# KiCad board raw.kicad_pcb (continued)
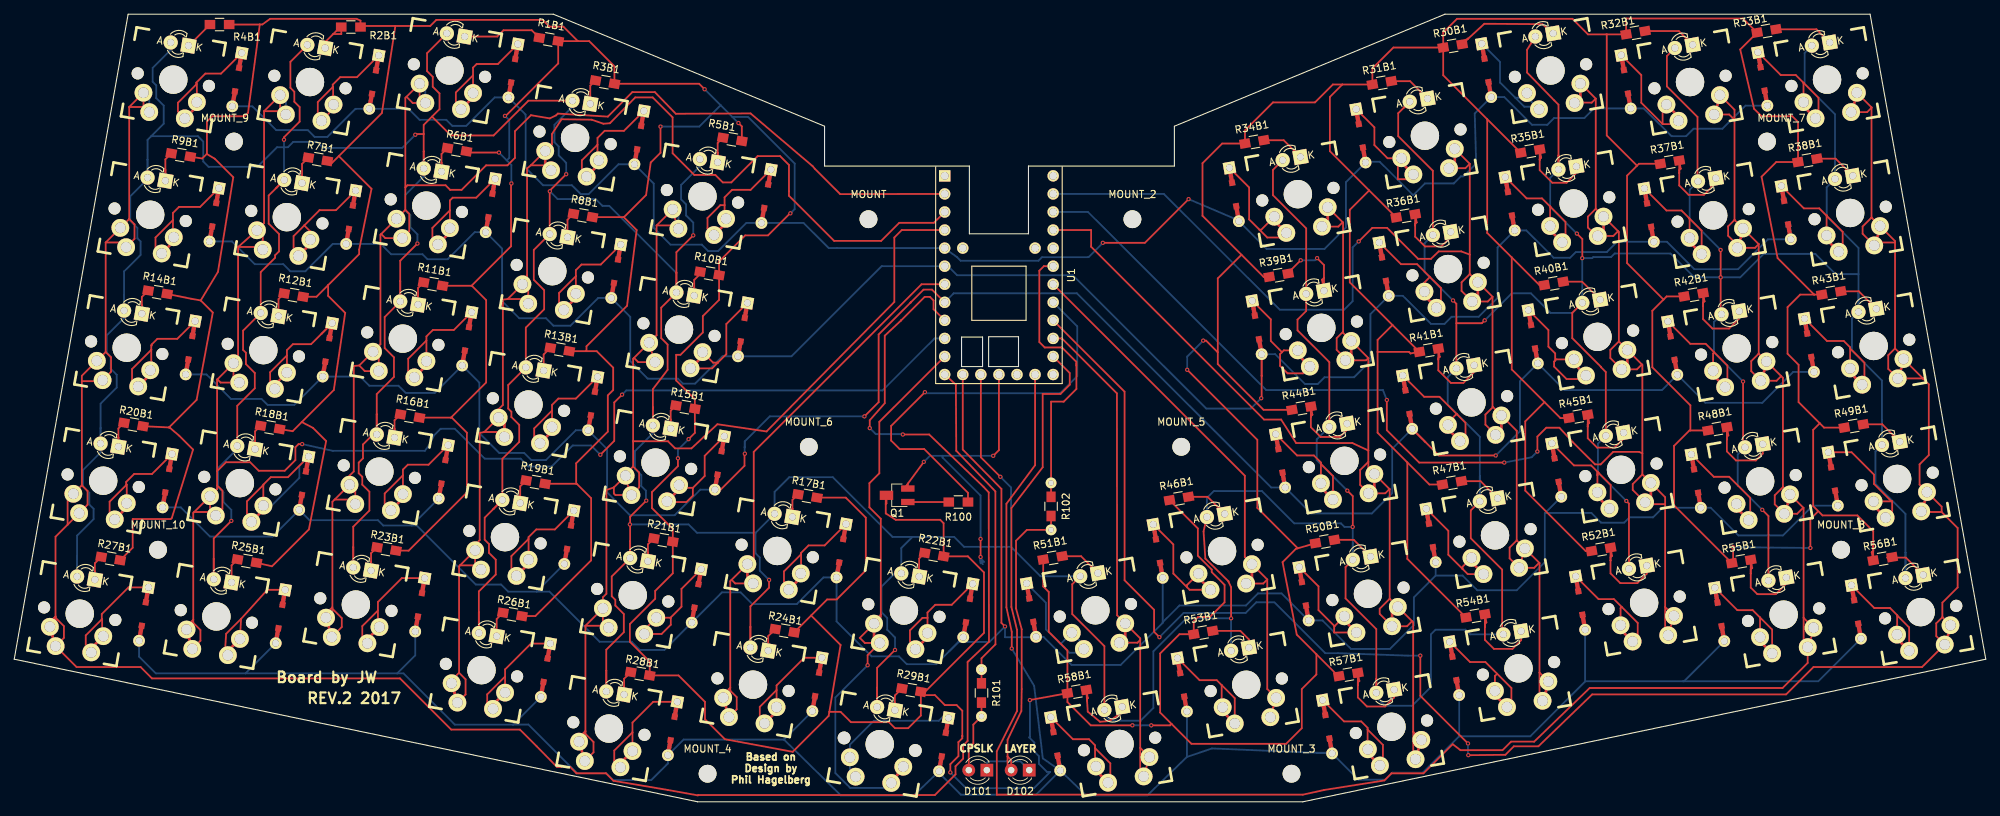
[diagram p0: board, top side]
## Routing (per net, layer and track width the routed paths; a pad name or vN(x,y) marks a point on that pad's centre or on a via; arc(x,y) is an arc through that point) (continued)
Net-(R1B1-Pad2): length 11.3
  Top w0.254: SW_1.K 67.86,107.61 68.75,108.5 72.71,108.5 R1B1.2
Net-(R2B1-Pad2): length 6.6
  Top w0.254: 43.68,106.41 SW_2.K ; 43.68,106.41 43.68,105.99 ; 43.68,106.41 43.68,106.83 44.82,107.97 ; 44.82,107.97 45.95,107.97 45.95,107.97 R2B1.2 ; 44.82,107.97 45.95,109.1
Net-(R3B1-Pad2): length 4.1
  Top w0.254: SW_3.K 80.93,98.14 80.93,100.7 81.3,101.07 ; 81.3,101.07 R3B1.2 81.3,101.07
Net-(R4B1-Pad2): length 4.2
  Top w0.254: R4B1.2 24.53,106.33 24.48,106.33 ; 24.48,106.33 SW_4.K 24.48,106.33
Net-(R5B1-Pad2): length 5.6
  Top w0.254: 99.2,93.02 R5B1.2 99.2,93.02 ; 99.2,93.02 98.83,92.65 98.83,91.29 ; 98.83,91.29 98.83,91.29 SW_5.K ; 98.83,91.29 98.83,89.93
Net-(R6B1-Pad2): length 5.5
  Top w0.254: 60.45,91.52 60.03,91.1 60.03,89.85 ; 60.45,91.52 R6B1.2 60.45,91.52 ; 60.03,88.61 60.03,89.85 ; 60.03,89.85 60.03,89.85 SW_6.K
Net-(R7B1-Pad2): length 4.6
  Top w0.254: 40.88,90.14 40.43,89.7 40.43,86.99 SW_7.K ; 40.88,90.14 41.32,90.58 ; 40.88,90.14 R7B1.2
Net-(R8B1-Pad2): length 4.2
  Top w0.254: SW_8.K 77.73,79.39 77.73,81.85 78.15,82.27 ; 78.15,82.27 R8B1.2 78.15,82.27
Net-(R9B1-Pad2): length 6.3
  Top w0.254: 21.23,87.33 21.23,88.84 ; 21.23,88.84 21.23,88.84 SW_9.K ; 21.23,88.84 21.23,90.35 21.65,90.77 ; 21.65,90.77 R9B1.2 21.65,90.77
Net-(R10B1-Pad2): length 5
  Top w0.254: 95.53,72.28 95.53,72.28 SW_10.K ; 95.53,72.28 95.53,73.38 96.37,74.22 96.37,74.38 ; 95.53,72.28 95.53,71.18 ; 96.37,74.38 96.37,74.38 R10B1.2 ; 96.37,74.38 96.37,74.53
Net-(R11B1-Pad2): length 5.2
  Top w0.254: SW_11.K 56.73,71.08 56.73,71.08 ; 56.73,71.08 56.73,72.25 57.13,72.64 ; 56.73,71.08 56.73,69.91 ; 57.13,72.64 R11B1.2 ; 57.13,72.64 57.52,73.03
Net-(R12B1-Pad2): length 4.1
  Top w0.254: 37.53,71.09 R12B1.2 ; 37.53,71.09 37.92,71.48 ; 37.53,71.09 37.13,70.7 37.13,68.29 SW_12.K
Net-(R13B1-Pad2): length 4.2
  Top w0.254: 74.85,63.37 R13B1.2 ; 74.85,63.37 75.32,63.83 ; 74.85,63.37 74.38,62.9 SW_13.K
Net-(R14B1-Pad2): length 5.4
  Top w0.254: 18.38,71.44 17.93,71 17.93,69.81 ; 18.38,71.44 R14B1.2 ; 18.38,71.44 18.82,71.88 ; 17.93,69.81 17.93,69.81 SW_14.K ; 17.93,69.81 17.93,68.63
Net-(R15B1-Pad2): length 5.3
  Top w0.254: 92.23,52.48 92.23,53.74 ; 92.23,53.74 92.23,53.74 SW_15.K ; 92.23,53.74 92.23,55 92.6,55.37 ; 92.6,55.37 R15B1.2 92.6,55.37
Net-(R16B1-Pad2): length 5.4
  Top w0.254: 53.85,54.07 53.43,53.65 53.43,52.43 ; 53.85,54.07 R16B1.2 53.85,54.07 ; 53.43,51.21 53.43,52.43 ; 53.43,52.43 53.43,52.43 SW_16.K
Net-(R17B1-Pad2): length 5.3
  Top w0.254: 109.73,42.84 R17B1.2 ; 109.73,42.84 109.33,42.45 109.33,41.25 ; 109.73,42.84 110.12,43.23 ; 109.33,41.25 109.33,41.25 SW_17.K ; 109.33,41.25 109.33,40.05
Net-(R18B1-Pad2): length 4.2
  Top w0.254: 34.23,52.49 34.62,52.88 ; 34.23,52.49 R18B1.2 ; 34.23,52.49 33.83,52.1 33.83,49.59 SW_18.K
Net-(R19B1-Pad2): length 4.1
  Top w0.254: 71.5,44.77 71.92,45.18 ; 71.5,44.77 71.08,44.35 SW_19.K ; 71.5,44.77 R19B1.2
Net-(R20B1-Pad2): length 5.5
  Top w0.254: 15.03,52.89 R20B1.2 ; 15.03,52.89 14.63,52.5 14.63,51.21 ; 15.03,52.89 15.42,53.28 ; SW_20.K 14.63,51.21 14.63,51.21 ; 14.63,51.21 14.63,49.93
Net-(R21B1-Pad2): length 5.3
  Top w0.254: 89.45,36.62 R21B1.2 89.45,36.62 ; 89.45,36.62 89.03,36.2 89.03,35.01 ; 89.03,33.83 89.03,35.01 ; 89.03,35.01 89.03,35.01 SW_21.K
Net-(R22B1-Pad2): length 5.5
  Top w0.254: 127.53,34.59 127.92,34.98 ; 127.53,34.59 127.13,34.2 127.13,32.94 ; 127.53,34.59 R22B1.2 ; 127.13,32.94 127.13,32.94 SW_22.K ; 127.13,32.94 127.13,31.68
Net-(R23B1-Pad2): length 5.4
  Top w0.254: 50.13,33.73 50.13,33.73 SW_23.K ; 50.13,33.73 50.13,34.95 50.55,35.37 ; 50.13,33.73 50.13,32.51 ; 50.55,35.37 R23B1.2 50.55,35.37
Net-(R24B1-Pad2): length 5.2
  Top w0.254: SW_24.K 105.93,22.27 105.93,22.27 ; 106.43,23.79 106.92,24.28 ; 106.43,23.79 105.93,23.3 105.93,22.27 ; 106.43,23.79 R24B1.2 ; 105.93,21.25 105.93,22.27
Net-(R25B1-Pad2): length 4.2
  Top w0.254: SW_25.K 30.53,30.84 30.53,33.25 30.95,33.67 ; 30.95,33.67 R25B1.2 30.95,33.67
Net-(R26B1-Pad2): length 4.3
  Top w0.254: 68.23,26.14 R26B1.2 68.23,26.14 ; 68.23,26.14 67.78,25.7 SW_26.K
Net-(R27B1-Pad2): length 5.4
  Top w0.254: 11.33,32.39 11.33,33.55 11.78,33.99 ; 11.33,32.39 11.33,32.39 SW_27.K ; 11.33,32.39 11.33,31.23 ; 11.78,33.99 12.22,34.43 ; 11.78,33.99 R27B1.2
Net-(R28B1-Pad2): length 5.3
  Top w0.254: SW_28.K 85.68,16.19 85.68,16.19 ; 85.68,16.19 85.68,15.08 ; 85.68,16.19 85.68,17.3 86.15,17.77 ; 86.15,17.77 R28B1.2 ; 86.15,17.77 86.62,18.23
Net-(R29B1-Pad2): length 4.5
  Top w0.254: 123.73,12.88 123.73,13.91 ; 123.73,13.91 123.73,14.95 R29B1.2 124.72,15.93 ; 123.73,13.91 123.73,13.91 SW_29.K
Net-(R30B1-Pad2): length 15.6
  Top w0.254: 204.28,107.32 206.55,109.4 214.7,109.35 SW_30.K 216.22,108.05 ; 204.28,107.32 204.21,107.32 R30B1.2 204.28,107.32
Net-(R31B1-Pad2): length 6.1
  Top w0.254: 193.48,101.33 R31B1.2 196.12,101.33 198.57,98.89 SW_31.K
Net-(R32B1-Pad2): length 7.5
  Top w0.254: SW_32.K 233.87,108.38 R32B1.2
Net-(R33B1-Pad2): length 8.3
  Top w0.254: R33B1.2 253.21,108.63 SW_33.K 255.07,106.77
Net-(R34B1-Pad2): length 6.1
  Top w0.254: SW_34.K 178.35,93.03 R34B1.2 175.58,93.03
Net-(R35B1-Pad2): length 12.3
  Top w0.254: 219.47,88.89 219.47,88.89 SW_35.K ; 219.47,88.89 219.47,88.42 218.1,87.05 216.1,87.05 214.33,88.82 214.33,90.28 ; 219.47,88.89 219.47,89.35 ; 214.33,90.28 214.33,90.38 214.53,90.58 R35B1.2 214.33,90.28
Net-(R36B1-Pad2): length 12
  Top w0.254: 201.82,79.78 SW_36.K 201.82,79.78 ; 201.82,79.78 201.82,79.42 200.5,78.1 198.2,78.1 196.83,79.47 196.83,81.05 ; 196.83,81.05 R36B1.2 197.03,81.48 196.83,81.28 196.83,81.05
Net-(R37B1-Pad2): length 12.8
  Top w0.254: 233.93,88.43 233.93,88.83 234.13,89.03 R37B1.2 233.93,88.43 ; 233.93,88.43 233.93,86.67 235.25,85.35 237.4,85.35 239.07,87.02 239.07,87.35 ; 239.07,87.35 239.07,87.35 SW_37.K ; 239.07,87.35 239.07,87.69
Net-(R38B1-Pad2): length 6
  Top w0.254: 253.28,90.43 R38B1.2 255.91,90.43 SW_38.K
Net-(R39B1-Pad2): length 12
  Top w0.254: 184.02,73.67 183.75,73.41 183.75,73.41 SW_39.K 184.02,73.67 ; 184.02,73.67 184.02,75.48 v1(183.05,76.45) ; v1(180.75,76.15) 178.98,74.38 178.98,74.33 ; 178.98,74.33 178.98,74.33 R39B1.2 ; 178.98,74.33 178.98,74.28
  Bottom w0.254: v1(183.05,76.45) 182.75,76.15 v1(180.75,76.15)
Net-(R40B1-Pad2): length 6.2
  Top w0.254: R40B1.2 220.29,73.13 SW_40.K
Net-(R41B1-Pad2): length 12.5
  Top w0.254: 200.08,62.2 200.08,62.2 200.08,62.38 200.28,62.58 R41B1.2 ; 200.08,62.2 200.08,60.67 201.85,58.9 203.6,58.9 205.12,60.42 205.12,60.9 ; 200.08,62.2 200.08,63.73 ; 205.12,60.9 SW_41.K 205.12,60.9
Net-(R42B1-Pad2): length 13.3
  Top w0.254: 242.37,68.99 242.37,68.48 ; 242.37,68.48 242.37,68.48 SW_42.K ; 242.37,68.48 242.37,67.97 240.95,66.55 238.6,66.55 237.28,67.87 237.28,69.7 ; 237.28,69.7 237.28,69.7 237.28,70.18 237.48,70.38 R42B1.2 ; 237.28,69.7 237.28,71.53
Net-(R43B1-Pad2): length 6
  Top w0.254: SW_43.K 259.16,71.78 R43B1.2
Net-(R44B1-Pad2): length 11.8
  Top w0.254: 182.18,54.13 182.18,55.58 ; 182.18,54.13 182.18,54.13 182.18,54.23 182.38,54.43 R44B1.2 ; 182.18,54.13 182.18,52.67 183.55,51.3 186.25,51.3 187.27,52.32 187.27,52.74 ; SW_44.K 187.27,52.74 187.27,52.74 ; 187.27,52.74 187.27,53.17
Net-(R45B1-Pad2): length 12.4
  Top w0.254: 221.08,52.78 221.08,54.43 ; 221.08,52.78 221.08,51.12 222.4,49.8 224.85,49.8 226.12,51.07 226.12,51.49 ; 221.08,52.78 221.08,52.78 221.08,53.08 221.28,53.28 R45B1.2 ; 226.12,51.49 SW_45.K 226.12,51.49
Net-(R46B1-Pad2): length 6.1
  Top w0.254: SW_46.K 170.07,40.48 167.66,42.88 R46B1.2 164.98,42.88
Net-(R47B1-Pad2): length 6.1
  Top w0.254: SW_47.K 206.02,45.08 R47B1.2
Net-(R48B1-Pad2): length 13.2
  Top w0.254: SW_48.K 245.67,49.63 245.67,49.63 ; 240.63,50.98 240.63,49.27 241.9,48 244.7,48 245.67,48.97 245.67,49.63 ; 240.63,50.98 240.63,51.33 240.83,51.53 R48B1.2 240.63,50.98 ; 245.67,49.63 245.67,50.29
Net-(R49B1-Pad2): length 6.2
  Top w0.254: 259.78,53.08 R49B1.2 262.46,53.08 SW_49.K
Net-(R50B1-Pad2): length 6.7
  Top w0.254: 190.57,33.82 190.57,34.47 SW_50.K 188.2,36.83 R50B1.2 185.48,36.83
Net-(R51B1-Pad2): length 6.1
  Top w0.254: R51B1.2 149.89,34.53 152.27,32.15 SW_51.K
  Bottom w0.254: 152.15,32.15 SW_51.K 152.27,32.15
Net-(R52B1-Pad2): length 13.4
  Top w0.254: 229.37,32.64 229.37,32.64 SW_52.K ; 229.37,32.64 229.37,33.2 ; 229.37,32.64 229.37,32.07 228.05,30.75 225.65,30.75 224.28,32.12 224.28,33.93 ; 224.28,33.93 224.28,33.93 224.28,34.38 224.48,34.58 R52B1.2 ; 224.28,33.93 224.28,35.73
Net-(R53B1-Pad2): length 6.7
  Top w0.254: 168.38,24.03 R53B1.2 172.27,24.03 173.47,22.83 173.47,21.68 SW_53.K
Net-(R54B1-Pad2): length 13.5
  Top w0.254: 211.72,23.35 211.72,22.72 210.5,21.5 207.9,21.5 206.63,22.77 206.63,24.58 ; 211.72,23.35 SW_54.K 211.72,23.35 ; 206.63,24.58 206.63,25.03 206.83,25.23 R54B1.2 206.63,24.58
Net-(R55B1-Pad2): length 13.2
  Top w0.254: 243.98,32.1 243.98,34.03 ; 243.98,32.1 243.98,32.1 243.98,32.68 244.18,32.88 R55B1.2 ; 243.98,32.1 243.98,30.12 244.9,29.2 247.5,29.2 248.97,30.67 248.97,31.1 ; 248.97,31.1 248.97,31.1 SW_55.K ; 248.97,31.1 248.97,31.54
Net-(R56B1-Pad2): length 6.2
  Top w0.254: SW_56.K 268.22,31.89 265.78,34.33 263.85,34.33 ; 263.85,34.33 R56B1.2 ; 263.85,34.33 263.13,34.33
Net-(R57B1-Pad2): length 13.1
  Top w0.254: 188.78,16.4 188.78,18.13 ; 188.78,16.4 188.78,14.67 190.05,13.4 192.6,13.4 193.87,14.67 193.87,15.22 ; 188.78,16.4 188.78,16.4 188.78,16.78 188.98,16.98 R57B1.2 ; SW_57.K 193.87,15.22 193.87,15.22 ; 193.87,15.22 193.87,15.77
Net-(R58B1-Pad2): length 11.6
  Top w0.254: 155.67,12.96 155.67,12.57 153.85,11.35 152.55,11.25 150.83,12.67 150.73,14.2 ; 155.67,12.96 155.67,12.96 SW_58.K ; 155.67,12.96 155.67,13.35 ; 150.73,14.2 150.73,14.48 150.83,14.58 R58B1.2 150.73,14.2
Net-(R100-Pad1): length 58.3
  Top w0.254: 145.97,70.08 U1.22 ; v1(127.95,57.6) 123.2,52.85 123.2,50.8 124.4,49.6 127.85,49.6 134,43.45 R100.1
  Bottom w0.254: U1.22 149.35,66.86 149.35,59.85 146.95,57.45 128.1,57.45 v1(127.95,57.6)
Net-(R101-Pad1): length 47.2
  Top w0.254: R101.1 R101.1 135.9,20.18 137.86,22.14 137.85,43.65 132.35,49.36 132.3,58.66 U1.12
Net-(R102-Pad1): length 40.7
  Top w0.254: 149.23,61.35 149.23,58.05 147.45,56.27 145.68,56.27 R102.1 ; 149.23,61.35 149.23,61.6 ; 149.23,61.35 149.23,61.6 ; R102.1 145.42,45.09 ; R102.1 R102.1 ; 145.97,75.28 U1.24 144.66,75.32 144.03,74.68 144.03,64.65 144.79,63.89 147.2,63.89 149.23,61.86 149.23,61.6
Net-(SW_1-PadA): length 1366.4
  Top w0.254: 28.03,34.16 28.03,34.16 SW_25.A ; 28.03,34.16 28.03,31.29 ; 28.03,34.16 28.03,37.03 v1(30.5,39.5) ; 202.62,61.9 SW_41.A 202.62,61.9 ; 202.62,61.9 202.62,67.3 ; SW_55.A 246.47,32.13 246.47,32.13 ; v1(106.05,31.2) 106.05,30.1 103.43,27.48 103.43,24.59 ; v1(187.3,43.75) 188.07,42.98 188.07,38.67 v1(188.05,38.65) ; 149.21,31.15 149.77,31.71 ; 149.21,31.15 148.65,30.59 148.65,26.4 153.17,21.88 153.17,13.89 ; 149.21,31.15 SW_51.A ; 50.93,54.49 50.93,57.33 53.35,59.75 53.35,62.5 52.05,63.8 52.05,68.17 54.23,70.35 54.23,73.22 ; 50.93,54.49 50.93,54.49 SW_16.A ; 50.93,54.49 50.93,51.65 50.4,51.65 49,50.25 49,48.3 48.4,47.7 48.4,46.2 48.9,45.7 48.9,44.6 49.9,43.6 49.9,40.95 47.63,38.68 47.63,35.82 ; 58.7,96.35 61.35,93.7 67.35,93.7 72.24,98.59 78.43,98.59 SW_3.A ; 58.7,96.35 57.53,95.18 57.53,93.9 ; 58.7,96.35 59.75,97.4 59.75,99.6 58.8,100.55 58.8,101.95 58,102.75 58,105.27 SW_1.A ; 34.63,68.74 34.63,74.48 36.65,76.5 36.65,76.85 37.2,77.4 37.2,79.85 35.75,81.3 35.75,85.25 36.84,86.34 ; 34.63,68.74 SW_12.A ; 34.63,68.74 32.15,66.25 32.15,63.55 32.55,63.15 32.55,61.55 33.8,60.3 33.8,58.15 31.33,55.68 31.33,50.04 SW_18.A ; v1(37.9,93.1) 37.9,93.37 37.93,93.4 37.93,93.48 40.1,95.65 40.1,97.7 39.35,98.45 39.35,99.85 38.8,100.4 38.8,104.05 41.18,106.44 ; 184.77,52.73 184.77,53.72 ; 184.77,53.72 184.77,61.83 180.3,66.3 180.3,67.8 181.52,69.02 181.52,71.21 ; 184.77,53.72 184.77,53.72 SW_44.A ; 47.63,35.82 47.63,35.82 SW_23.A ; 47.63,35.82 47.63,32.95 ; SW_19.A 68.58,48.23 70.95,50.6 70.95,53 69.85,54.1 69.85,54.85 69.4,55.3 69.4,58.6 71.88,61.09 ; SW_19.A 67.34,41.19 67.34,41.19 ; SW_19.A 67.34,41.19 ; 213.13,106.68 212.55,105.74 212.55,102.55 216.38,98.62 216.97,98.03 216.97,90.89 ; 213.13,106.68 213.72,107.26 SW_30.A 213.13,106.68 ; 226.87,33.81 226.87,33.81 SW_52.A ; 226.87,33.81 226.87,32.76 ; 226.87,33.81 226.87,41.93 v1(226.5,42.3) ; SW_13.A 71.88,61.09 ; SW_13.A 71.88,66.68 74.45,69.25 74.45,71.95 73,73.4 73,77.6 75.23,79.84 ; SW_13.A 71.88,61.09 ; v1(202.15,70.5) 202.62,70.03 202.62,67.3 ; SW_7.A 36.84,86.34 36.84,86.34 ; 191.37,15.33 191.37,17.27 ; 191.37,17.27 191.37,24.28 187.05,28.6 187.05,33.01 188.07,34.03 ; 191.37,17.27 191.37,17.27 SW_57.A ; v1(88.8,42.35) 86.53,40.08 86.53,39 ; 232.76,105.44 232.2,104.88 232.2,100.6 236.5,96.3 236.5,87.31 SW_37.A ; 232.76,105.44 232.76,105.44 SW_32.A ; 232.76,105.44 233.32,105.99 ; 89.73,55.47 89.73,55.47 SW_15.A ; 89.73,55.47 89.73,58.03 91.8,60.75 91.8,64.3 90.9,65.2 90.9,69.49 93.03,71.62 93.03,74.45 ; 89.73,55.47 89.73,52.92 ; 57.53,91.48 57.53,91.48 SW_6.A ; 57.53,91.48 57.53,89.05 ; 57.53,91.48 57.53,93.9 ; SW_42.A 239.87,68.54 239.75,68.66 v1(239.75,73.75) v1(239.75,77.6) ; SW_10.A 93.03,74.45 93.03,74.45 ; 75.23,85.87 75.23,79.84 ; 75.23,85.87 75.23,85.93 ; 75.23,85.87 75.23,85.93 ; 75.23,85.87 v1(75.25,85.85) ; 75.23,79.84 SW_8.A ; 153.17,13.89 153.17,12.91 ; 153.17,13.89 153.17,13.89 SW_58.A ; 103.43,24.59 103.43,21.69 ; 103.43,24.59 103.43,24.59 SW_24.A ; v1(86.5,39) 86.53,39 ; 86.53,39 86.53,36.63 ; 188.07,34.03 SW_50.A ; 188.07,34.03 188.07,33.52 ; 188.07,34.03 187.73,34.03 ; 75.23,85.93 v1(77.55,88.25) ; 36.84,86.34 37.93,87.44 ; 195.26,97.64 196.07,98.44 ; 195.26,97.64 194.45,96.83 194.45,93.6 199.32,88.73 199.32,80.73 ; 195.26,97.64 195.26,97.64 SW_31.A ; 93.03,74.45 93.03,77.28 v1(95.4,79.65) ; 83.18,18.45 SW_28.A 83.18,18.45 ; 83.18,18.45 83.18,21.38 85.65,23.85 85.65,26.4 84.45,27.6 84.45,28.4 83.95,28.9 83.95,31.69 86.53,34.27 86.53,36.63 ; 65.28,26.66 SW_26.A 65.28,26.66 ; 65.28,26.66 65.28,29.58 67.65,31.95 67.65,34.05 66.7,35 66.7,36.25 66.1,36.85 66.1,39.95 67.34,41.19 ; 181.52,71.21 181.52,71.21 SW_39.A ; 181.52,71.21 181.52,80.63 176.85,85.3 176.85,88.86 178.12,90.13 ; SW_21.A 86.53,36.63 86.53,36.63 ; 223.62,52.51 223.62,60.43 222.95,61.1 222.95,61.15 218.9,65.2 218.9,68.74 SW_40.A ; 223.62,52.51 SW_45.A 223.62,52.51 ; 57.53,93.9 56.45,93.9 v1(56.35,93.8) ; v1(245.6,41.05) 246.47,40.18 246.47,32.13 ; 178.12,90.13 SW_34.A 178.12,90.13 ; SW_35.A 216.97,90.89 216.97,90.89 ; SW_48.A 242.9,50.11 v1(242.9,59.1) ; 216.97,90.89 216.97,88.91 ; v1(138.55,45.7) 135.81,48.44 U1.14 ; 199.32,80.73 SW_36.A ; 199.32,80.73 199.32,79.69 ; 121.23,16.06 121.23,13.32 ; 121.23,16.06 121.23,18.83 v1(123.75,21.35) ; 121.23,16.06 121.23,16.06 SW_29.A ; 41.18,106.44 SW_2.A 41.18,106.44 ; 202.62,67.3 206.2,67.3 v1(206.6,67.7) ; 205.28,41.61 SW_47.A 205.28,41.61 ; 205.28,41.61 204.65,40.98 204.65,37.05 209.05,32.65 209.05,23.71 SW_54.A ; 246.47,32.13 246.47,31.09 ; 54.23,73.22 54.23,73.22 SW_11.A ; 54.23,73.22 54.23,76.08 v1(56.65,78.5) ; v1(220.3,76.45) 220.32,76.45 220.32,79.13 v1(219.55,79.9) ; v1(170.97,25.8) 170.97,30.18 170.6,30.95 170.6,31 167.35,34.2 167.1,38.02 167.57,40.04 SW_46.A
  Bottom w0.254: SW_17.A 106.83,40.49 ; 106.83,40.49 106.83,40.49 104.17,37.83 ; 106.83,40.49 106.83,43.58 108.9,45.65 115,45.65 123.4,37.25 126.2,37.25 ; 93.03,72.99 93.03,72.99 SW_10.A ; 93.03,72.99 93.03,71.62 ; 93.03,72.99 93.03,74.37 83.6,83.8 82.65,83.8 81.7,84.75 76.35,84.75 v1(75.25,85.85) ; 37.93,87.16 37.93,87.16 SW_7.A ; 37.93,87.16 37.93,86.88 ; 37.93,87.16 37.93,87.44 37.9,87.47 37.9,92.05 ; 126.2,37.25 124.63,35.68 124.63,32.12 ; 126.2,37.25 132.05,37.25 133.45,35.85 140.05,35.85 ; 259.12,74.2 259.12,77.88 254.65,82.35 254.65,86.41 SW_38.A ; 259.12,74.2 259.12,71.54 ; 259.12,74.2 255.9,74.2 253.05,77.05 245.8,77.05 242.5,73.75 v1(239.75,73.75) 236.05,73.75 232.7,77.1 224.85,77.1 224.35,76.6 221.85,76.6 221.7,76.45 v1(220.3,76.45) 220.3,70.18 220.31,70.17 ; 8.83,34.55 8.83,37.43 11.15,39.75 11.15,41.2 10.55,41.8 10.55,43.45 9.65,44.35 9.65,46.65 12.13,49.13 12.13,52.56 ; 8.83,34.55 8.83,34.55 SW_27.A ; 8.83,34.55 8.83,31.67 ; SW_46.A 167.57,41.38 167.57,41.38 ; 167.57,41.38 167.57,42.72 168.55,43.7 175.3,43.7 179.85,39.15 186.4,39.15 186.9,38.65 v1(188.05,38.65) 188.07,38.63 188.07,36.33 ; 167.57,41.38 167.57,40.04 ; 262.42,53.74 SW_49.A ; 262.42,53.74 262.42,59.23 258.2,63.45 258.2,67.96 SW_43.A ; 262.42,53.74 SW_49.A ; SW_49.A 261.5,49.26 261.5,44.7 265.72,40.48 265.72,35.03 ; 57.53,88.49 57.53,87.93 54.9,85.3 54.9,83.25 55.65,82.5 55.65,80.8 56.65,79.8 v1(56.65,78.5) ; 57.53,88.49 57.53,89.05 ; 57.53,88.49 57.53,88.49 SW_6.A ; SW_44.A 183,50.96 183,48.05 v1(187.3,43.75) ; 191.37,15.03 191.37,15.03 SW_57.A ; 191.37,15.03 191.37,15.33 ; 191.37,15.03 191.37,14.73 192.6,13.5 196.4,13.5 199.05,16.15 199.05,23.55 199.7,24.2 203.9,24.2 204.56,23.54 209.22,23.54 ; v1(226.5,42.3) 222.5,46.3 222.5,50.34 SW_45.A ; 12.13,52.56 12.13,55.98 14.4,58.25 14.4,60.05 13.55,60.9 13.55,62.6 13,63.15 13,65.6 15.43,68.03 15.43,71.31 ; 12.13,52.56 12.13,52.56 SW_20.A ; 239.33,68.01 238.8,67.48 238.8,63.2 v1(242.9,59.1) ; 239.33,68.01 239.87,68.54 ; 239.33,68.01 SW_42.A ; 243.17,49.84 242.66,49.34 ; 242.66,49.34 242.66,49.34 SW_48.A ; 242.66,49.34 242.15,48.83 242.15,44.5 v1(245.6,41.05) ; 140.05,35.85 144.19,31.71 149.77,31.71 SW_51.A ; 140.05,35.85 140.05,44.2 v1(138.55,45.7) ; v1(206.6,67.7) 210.4,71.5 213.1,71.5 215.85,68.75 218.91,68.75 SW_40.A ; 31.33,49.83 31.33,49.63 28.65,46.95 28.65,44.25 29.4,43.5 29.4,42.15 30.5,41.05 v1(30.5,39.5) ; 31.33,49.83 31.33,50.04 ; 31.33,49.83 31.33,49.83 SW_18.A ; 255.82,91.17 255.82,96.68 251.55,100.95 251.55,105.31 SW_33.A ; 255.82,91.17 SW_38.A ; 255.82,91.17 SW_38.A ; 188.07,36.33 188.07,36.33 SW_50.A ; 188.07,36.33 188.07,34.03 ; 15.43,71.31 15.43,74.58 17.75,76.9 17.75,78.8 17.3,79.25 17.3,80.7 16.3,81.7 16.3,85.15 18.73,87.58 18.73,90.33 ; 15.43,71.31 15.43,71.31 SW_14.A ; 259.12,71.54 SW_43.A ; 259.12,71.54 SW_43.A ; v1(86.5,39) 94.75,39 95.92,37.83 104.17,37.83 ; 265.72,35.03 SW_56.A 265.72,35.03 ; 124.63,32.12 123.72,32.12 121.85,30.25 121.85,26.65 122.65,25.85 122.65,24.2 123.75,23.1 v1(123.75,21.35) ; 124.63,32.12 SW_22.A ; 202.62,60.94 SW_41.A 202.62,60.94 ; 202.62,60.94 201.4,59.73 201.4,55.85 205.92,51.33 205.92,45.81 ; v1(219.55,79.9) 215.8,83.65 215.8,87.74 SW_35.A ; 19.25,93.6 18.73,93.08 18.73,90.33 ; 19.25,93.6 25.79,93.6 26.55,92.84 26.55,90.05 27.31,89.29 34.17,89.29 36.93,92.05 37.9,92.05 ; 19.25,93.6 21,95.35 21,97.9 19.95,98.95 19.95,100.75 19.45,101.25 19.45,103.2 21.98,105.73 21.98,106.77 SW_4.A ; 205.92,45.81 SW_47.A 205.92,45.81 ; 78.43,98.59 78.43,98.16 ; 78.43,98.16 78.43,98.16 SW_3.A ; 78.43,98.16 78.43,97.73 75.9,95.2 75.9,92.75 76.5,92.15 76.5,90.9 77.55,89.85 v1(77.55,88.25) ; 37.9,92.05 38.45,92.05 39.2,92.8 42.55,92.8 43.4,91.95 54.5,91.95 v1(56.35,93.8) ; 37.9,92.05 v1(37.9,93.1) ; 18.73,90.33 18.73,90.33 SW_9.A ; 199.32,79.69 199.32,79.69 ; 199.32,79.69 SW_36.A ; 199.32,79.69 198.15,78.53 198.15,74.5 v1(202.15,70.5) ; SW_5.A 96.33,90.37 96.33,89.38 93.7,86.75 93.7,84.7 94.4,84 94.4,82.45 95.4,81.45 v1(95.4,79.65) ; 209.22,23.54 SW_54.A 209.22,23.54 ; 153.17,12.57 153.17,12.23 154,11.4 158.25,11.4 160.05,13.2 160.05,21.15 164.7,25.8 v1(170.97,25.8) 170.97,21.24 SW_53.A ; 153.17,12.57 153.17,12.57 SW_58.A ; 153.17,12.57 153.17,12.91 ; SW_40.A 220.31,70.17 ; SW_40.A 220.31,70.17 ; 104.17,37.83 104.15,37.81 104.15,34.95 104.75,34.35 104.75,32.5 v1(106.05,31.2) ; v1(88.8,42.35) 88.75,42.4 88.75,43.75 88.1,44.4 88.1,45.95 87.2,46.85 87.2,49.3 89.73,51.83 89.73,52.92 SW_15.A ; v1(239.75,77.6) 235.4,81.95 235.4,86.08 236.57,87.24 SW_37.A
Net-(SW_1-PadSW1): length 212.3
  Top w0.254: SW_23.SW1 46.02,24.57 46.02,25.83 44.7,27.15 ; 45.02,42.5 SW_16.SW1 ; 45.02,42.5 44.7,42.18 44.7,27.35 ; 45.02,42.5 47.29,42.5 SW_16.SW1 47.92,43.78 SW_16.SW1 ; SW_16.SW1 47.11,45.22 ; SW_16.SW1 47.11,45.22 ; 44.13,26.21 44.45,26.53 ; 44.13,26.21 SW_23.SW1 ; 44.13,26.21 SW_23.SW1 ; 44.13,26.21 SW_23.SW1 ; 44.13,26.21 44.45,26.53 ; 44.45,26.53 44.7,26.78 44.7,27.15 ; 44.45,26.53 44.45,27.1 44.7,27.35 ; SW_11.SW1 52.05,61.4 ; SW_11.SW1 49.25,60.57 48.47,61.35 ; SW_11.SW1 51.22,62.48 SW_11.SW1 ; U1.2 116.05,85.45 112.48,89.02 112.18,89.38 103.45,96.8 92.95,96.75 90,99.8 86.85,99.8 83.4,96.35 76.38,96.77 76.12,96.52 75.25,96.1 72.6,96.55 70.35,94.3 70.35,90.55 69.3,89.5 66.3,89.5 62.85,86.05 61.25,86.05 60.6,86.7 55.25,86.7 54.95,86.4 ; 48.47,61.35 47.7,61.28 47.7,46.45 47.11,45.86 47.11,45.22 ; 48.47,61.35 SW_11.SW1 ; 54.95,86.4 54.95,83.23 ; 54.95,86.4 54.95,98.98 55.11,99.14 ; 55.11,99.14 56.96,100.99 56.96,99.08 SW_1.SW1 55.98,98.27 55.11,99.14 ; 44.7,27.35 44.7,27.15 ; 54.95,83.23 55.5,82.68 55.5,80.25 SW_6.SW1 52.13,79.27 51.56,79.84 ; 54.95,83.23 SW_6.SW1 51.56,79.84 ; 51.56,79.84 51.45,79.73 51.45,64.33 SW_11.SW1
  Top w0.381: SW_23.SW1 SW_23.SW1
  Bottom w0.254: SW_1.SW1 57.77,100.18 SW_1.SW1
Net-(SW_10-PadSW1): length 187.9
  Top w0.254: 80.25,9.95 79.36,9.06 79.36,8.76 ; 80.25,9.95 80.25,9.85 ; 80.25,9.95 80.25,24.75 ; SW_21.SW1 83.5,24.49 ; SW_21.SW1 83.25,24.75 80.25,24.75 ; SW_21.SW1 83.5,24.49 ; 83.5,24.49 82.71,25.29 82.71,27.2 ; 79.36,8.45 80.2,9.3 80.2,9.5 80.25,9.55 ; 79.36,8.45 79.36,8.76 ; 79.36,8.45 79.36,8.76 ; 80.25,9.85 79.36,8.96 79.36,8.76 ; 80.25,9.85 80.25,9.55 ; 82.71,27.98 82.71,27.98 SW_21.SW1 ; 82.71,27.98 82.71,28.76 83.2,29.25 83.2,43.85 84.24,44.19 ; 82.71,27.98 82.71,27.2 ; 84.24,44.19 85.9,45.85 SW_15.SW1 ; 84.24,44.19 84.25,44.2 84.25,43.35 84.47,43.13 86.72,43.13 ; 80.17,6.02 SW_28.SW1 80.17,5.73 81.39,6.96 81.39,8.41 80.25,9.55 ; 79.36,8.76 79.36,8.76 SW_28.SW1 ; 90.25,81.05 92.51,83.3 ; 90.25,81.05 92.85,81.05 SW_5.SW1 92.51,83 ; 90.25,81.05 90.25,65.6 SW_10.SW1 87.08,62.42 ; 85.91,45.98 85.91,46.11 86.95,47.15 ; 85.91,45.98 SW_15.SW1 ; 85.91,45.98 SW_15.SW1 ; 86.72,43.13 85.91,45.3 ; 86.72,43.13 SW_15.SW1 87.8,44.22 87.8,46.3 86.95,47.15 ; 90.02,61.83 89.2,64.44 ; 90.02,61.83 SW_10.SW1 ; 90.02,61.83 87.67,61.83 87.08,62.42 ; 87.08,62.42 86.95,62.3 86.95,50.7 ; 86.95,47.15 86.95,50.7 ; 86.95,50.7 91.85,50.7 92.85,49.7 95.15,49.7 98.8,53.09 105.7,52.08 123.65,70.28 123.65,79.35 124.7,80.4 U1.4 ; 82.71,27.2 80.25,24.75
  Top w0.381: 80.17,5.73 79.36,8.45
  Bottom w0.254: SW_5.SW1 93.32,82.5 SW_5.SW1
Net-(SW_12-PadSW1): length 244.3
  Top w0.254: SW_12.SW1 31.62,58.95 ; 31.62,58.95 30.81,59.76 SW_12.SW1 ; 31.62,58.95 29,58.95 28.54,59.41 ; 37.7,97.12 37.36,97.46 37.36,99.37 35.1,97.12 ; 37.7,97.12 SW_2.SW1 ; 37.7,97.12 35.1,97.12 ; 25.28,40.75 25.15,40.62 25.15,25.6 ; 25.28,40.75 SW_18.SW1 ; 25.28,40.75 27.82,40.75 28.32,40.25 ; SW_25.SW1 26.16,22.64 26.16,24.16 25.15,25.17 ; SW_12.SW1 31.45,62.32 31.45,78.02 ; SW_12.SW1 28.54,59.41 ; 25.15,25.17 25.15,25.6 ; 25.15,25.17 24.21,24.22 ; 31.45,78.02 34.55,78.02 34.92,77.65 ; 31.45,78.02 SW_7.SW1 ; 25.15,25.6 24.9,25.35 24.9,24.92 24.21,24.22 ; 34.92,77.65 34.92,79.56 34.11,80.37 ; 34.92,77.65 SW_7.SW1 ; 24.21,24.22 SW_25.SW1 ; SW_18.SW1 27.51,41.06 28.32,40.25 ; SW_18.SW1 28.5,43.97 28.5,44.5 ; SW_7.SW1 34.11,80.37 ; SW_7.SW1 35.1,81.37 35.1,97.12 ; SW_7.SW1 34.11,80.37 ; 28.5,46.5 29.75,47.75 33.15,47.75 34.35,46.55 38,46.55 39.5,48.05 39.5,49.85 39.95,50.3 v1(40.45,50.3) ; 28.5,46.5 28.5,59.37 28.54,59.41 ; 28.5,46.5 28.5,44.5 ; v1(85.4,57.25) 84.3,56.15 84.3,50.75 v1(82.35,48.8) ; 28.5,44.5 29.25,43.75 29.25,41.18 28.32,40.25 ; SW_18.SW1 28.32,40.25
  Top w0.381: 24.21,24.22 SW_25.SW1
  Bottom w0.254: v1(40.45,50.3) 44.75,49.35 57.7,49.35 58.3,50.17 59,51.55 59.9,52.45 61.9,52.45 66.1,48.25 71.15,48.25 72.25,47.15 75.5,47.15 78.45,50.1 81.05,50.1 v1(82.35,48.8) ; SW_2.SW1 38.17,98.56 SW_2.SW1 ; U1.10 129.31,65.16 122,57.85 86,57.85 v1(85.4,57.25)
Net-(SW_13-PadSW1): length 198.3
  Top w0.254: SW_8.SW1 71.41,73.39 72.05,74.03 ; SW_8.SW1 69.33,70.7 ; SW_8.SW1 72.22,71.96 72.22,70.05 ; 72.22,70.05 71.57,70.7 69.33,70.7 ; 72.22,70.05 SW_8.SW1 ; 72.05,73.52 72.05,74.03 ; 72.05,74.03 72.05,89.07 72.59,89.51 ; 72.59,89.51 74.71,89.51 SW_3.SW1 ; 72.59,89.51 75.55,92.47 75.55,93.9 76.9,95.98 81.13,95.91 82.77,95.35 83.69,95.42 87.25,99.05 89.7,99.05 92.5,96.25 92.5,91.2 95.55,88.15 98.5,88.15 99.55,87.1 100.75,87.1 104.45,90.8 107.6,90.8 108.85,89.55 108.85,85.85 108.85,85.22 115.2,78.87 121.8,78.87 124.34,81.41 129.2,81.41 U1.3 ; SW_26.SW1 61.46,15.72 61.86,15.31 ; 64.76,34.42 64.76,35.37 ; 64.76,34.42 64.76,33.46 64.97,33.25 ; 64.76,34.42 64.76,34.42 SW_19.SW1 ; 64.76,35.37 62.63,33.25 ; 64.76,35.37 64.76,36.16 65.4,36.8 65.4,51.87 66.03,52 ; 68.06,54.02 68.06,54.02 ; 68.06,54.02 68.87,53.21 ; 68.06,54.02 SW_13.SW1 ; 68.06,54.02 66.03,52 ; 68.06,54.02 68.06,55.21 68.65,55.8 68.65,70.62 69.33,70.7 ; 62.63,33.25 62.5,33.12 62.5,18.15 62.49,18.14 ; 62.63,33.25 64.97,33.25 ; 66.03,52 68.17,52 SW_13.SW1 69.7,52.13 ; 62.49,18.14 63.41,17.22 63.41,15.09 62.27,13.95 SW_26.SW1 ; 62.49,18.14 61.46,17.11 61.46,16.67 ; 64.97,33.25 SW_19.SW1 ; 74.61,90.57 SW_3.SW1
  Top w0.381: 61.46,16.67 62.27,13.95 ; 74.61,91.52 74.61,89.61 SW_3.SW1 ; SW_13.SW1 68.87,53.21 68.06,54.02
Net-(SW_14-PadSW1): length 347.3
  Top w0.254: 7.5,38.97 7.5,42.5 SW_20.SW1 9.5,44.5 ; 7.5,38.97 5.8,37.27 5.8,26.05 ; 7.5,38.97 8.9,40.37 ; 16.15,97.7 18.16,99.71 18.16,97.8 SW_4.SW1 18.25,97.7 16.15,97.7 ; 16.15,97.7 16.15,81.95 16.15,81.95 ; 5.8,25.88 5.8,26.05 ; 5.8,25.88 5.8,25.4 5.4,25.01 ; 5.8,25.88 5.8,26.05 ; 5.8,25.88 6.98,24.7 6.98,23.05 SW_27.SW1 8.76,18.95 17.75,18.95 19.35,17.35 54.2,17.35 61.4,10.15 71.05,10.15 73.4,7.8 76.25,4.9 78.1,4.9 79,4 83.15,4 84.2,2.95 91.83,1.66 96.05,0.9 96.1,0.95 129.35,0.95 132.25,3.85 132.25,5 133.32,6.06 133.32,7.92 133.95,8.55 133.95,19.66 134.07,19.78 136.95,22.5 136.92,43.51 136.17,44.31 128.55,51.65 v1(124.85,51.65) ; 5.8,26.05 5.55,25.8 5.55,25.15 5.4,25.01 ; U1.9 129.17,69.26 129.17,70.49 128.66,71 127.91,71 124.61,67.7 ; 9.5,44.5 10.3,43.7 10.3,41.77 8.9,40.37 ; 9.5,44.5 9.5,44.5 9.5,59.15 ; 16.15,81.95 SW_9.SW1 12.85,78.65 ; 16.15,81.95 16.9,81.2 16.9,79.17 SW_9.SW1 15.05,78.65 12.85,78.65 ; 9.5,59.15 12.28,59.15 SW_14.SW1 13.6,60.47 13.6,62.5 12.85,63.25 ; 9.5,59.15 9.5,59.9 SW_14.SW1 12.85,63.25 ; 124.61,67.7 124.6,67.69 ; 124.61,67.7 124.6,67.69 ; 5.4,25.01 SW_27.SW1 ; 5.4,25.01 SW_27.SW1 ; 5.4,25.01 SW_27.SW1 ; 12.85,78.65 12.85,63.25 ; v1(120.2,52.55) 120.2,53.65 122.31,56.05 122.31,65.54 124.6,67.69 ; 8.9,40.37 SW_20.SW1
  Top w0.381: SW_27.SW1 5.34,23.4 SW_27.SW1
  Bottom w0.254: SW_4.SW1 18.97,98.9 SW_4.SW1 ; v1(120.2,52.55) 121.05,51.7 124.8,51.7 v1(124.85,51.65)
Net-(SW_17-PadSW1): length 89.9
  Top w0.254: 100.6,15.62 100.6,16.05 ; 100.6,15.62 101.51,14.71 101.51,13 SW_24.SW1 ; 100.6,15.62 100.3,15.32 ; 100.6,16.05 100.6,31.02 100.79,31.21 ; 100.6,16.05 100.35,15.8 100.35,15.37 100.3,15.32 ; 100.3,15.32 99.95,14.98 ; 100.3,15.32 99.95,14.98 ; 99.95,14.98 SW_24.SW1 ; 99.95,14.98 SW_24.SW1 ; 99.95,14.98 SW_24.SW1 ; U1.7 127.48,72.78 103.9,49.2 103.9,34.32 SW_17.SW1 100.79,31.21 ; 100.79,31.21 101.29,30.71 SW_17.SW1
  Top w0.381: SW_24.SW1 SW_24.SW1 100.3,15.32 ; SW_17.SW1 103.01,31.52 SW_17.SW1
Net-(SW_22-PadSW1): length 91.8
  Top w0.254: 121.75,26.3 121.75,39.8 120.15,41.4 120.15,44.8 121.55,46.2 121.55,53.44 U1.11 ; 121.75,26.3 120.81,25.36 120.81,25.05 ; 121.75,26.3 121.75,26 120.81,25.05 ; 120.81,25.48 120.81,25.91 ; 120.81,25.48 120.81,25.05 ; 120.81,25.48 120.81,25.05 ; 120.81,25.48 120.81,25.48 SW_22.SW1 ; 120.81,25.48 120.81,25.91 ; 120.81,25.91 120.81,26.11 ; 120.81,25.05 118.8,23.05 119.52,22.33 121.62,22.33 ; 124.06,3.79 124.91,4.64 SW_29.SW1 ; v1(119.9,19.2) 119.9,20.62 121.62,22.33 ; 121.62,22.33 SW_22.SW1 ; 123.22,2.65 122.4,3.47
  Top w0.381: 120.81,25.05 120.81,23.14 121.62,22.33 ; 124.91,4.93 124.06,3.79 SW_29.SW1 123.22,2.65
  Bottom w0.254: 122.87,2.3 SW_29.SW1 ; 122.87,2.3 123.22,2.65 ; 122.87,2.3 122.52,1.95 117.46,1.95 115.37,4.04 115.37,14.67 v1(119.9,19.2)
Net-(SW_30-PadSW1): length 234.9
  Top w0.254: 219.23,98.32 SW_30.SW1 ; 219.23,98.32 221.63,98.32 222.2,98.88 ; 219.23,98.32 219.64,98.72 ; 231.95,27.38 231.95,23.85 SW_52.SW1 ; 231.95,27.38 231.95,41.85 ; 231.95,27.38 SW_52.SW1 SW_52.SW1 ; 222.2,98.88 220.04,101.04 ; 222.2,98.88 222.2,83.38 ; 228.75,49 228.3,49.2 224.65,49.2 222.9,47.45 222.1,47.45 218.99,50.56 217.1,52.6 215.25,52.6 214,51.35 v1(214,49.25) ; 228.75,49 228.75,61.43 228.68,61.5 ; 228.75,49 228.75,46.03 ; 228.68,61.5 228,60.82 SW_40.SW1 224.25,62.4 224.25,63.53 225.45,64.73 ; 228.68,61.5 226.64,63.54 ; SW_40.SW1 226.64,63.54 ; 226.64,63.54 225.45,64.73 ; 225.45,64.73 225.45,80.13 225.34,80.24 ; SW_52.SW1 232.38,23.42 ; 225.34,80.24 224.67,79.57 SW_35.SW1 222.28,79.57 221.1,80.75 221.1,82.28 222.2,83.38 ; 225.34,80.24 SW_35.SW1 222.2,83.38 ; 220.04,100.08 220.04,100.08 SW_30.SW1 ; 229.94,44.84 231.95,42.83 231.95,41.85 ; 229.94,44.84 228.75,46.03 ; 229.94,44.84 SW_45.SW1 ; 228.75,46.03 227.4,44.68 227.4,43.85 SW_45.SW1 229.4,41.85 231.95,41.85 ; v1(209.35,47.7) 197.4,47.7 192.85,52.25 v1(192.85,56.5)
  Top w0.381: SW_35.SW1 223.29,80.38 SW_35.SW1 ; SW_40.SW1 226.64,61.63 226.64,63.54 ; 229.94,44.84 229.94,42.93 SW_45.SW1 ; 219.23,98.32 220.04,99.13 220.04,101.04
  Bottom w0.254: v1(214,49.25) 213.2,48.45 v1(209.35,47.7) ; U1.27 150.86,82.94 175.9,57.9 192.3,57.9 v1(192.85,56.5)
Net-(SW_31-PadSW1): length 204
  Top w0.254: 204.5,76.95 204.5,89.72 ; 204.5,76.95 203.3,77.4 200.15,77.4 199.05,76.35 197.25,76.35 192.9,80.7 190.8,80.7 v1(188.9,78.8) ; 204.5,76.95 204.5,74.22 204.51,74.21 ; 204.5,89.72 203.88,89.1 SW_31.SW1 ; 204.5,89.72 202.39,91.82 ; 204.51,74.21 203.35,73.05 203.35,71.83 204.83,70.35 ; 204.51,74.21 207.7,71.02 ; SW_41.SW1 208.94,53.37 208.94,53.37 ; SW_47.SW1 210.1,34.23 210.1,35.75 211.11,36.76 ; SW_47.SW1 212.24,35.62 ; SW_47.SW1 213.55,32.9 214.26,33.61 ; 204.83,70.35 207.04,70.35 207.7,71.02 ; 204.83,70.35 SW_36.SW1 ; 214.3,18.17 214.3,33.57 214.26,33.61 ; 214.3,18.17 214.3,14.63 SW_54.SW1 ; 214.3,18.17 215.54,16.92 ; SW_41.SW1 206.7,53.03 206.7,54.45 207.76,55.51 ; 212.24,35.62 SW_47.SW1 ; 212.24,35.62 211.11,36.76 ; 212.24,35.62 214.26,33.61 ; 207.76,55.51 207.7,55.57 207.7,71.02 ; 207.76,55.51 211.1,52.17 211.1,36.77 211.11,36.76 ; SW_54.SW1 215.54,16.36 215.37,16.19 ; 214.73,14.2 SW_54.SW1 ; 214.73,14.2 214.7,14.2 ; 214.73,14.2 SW_54.SW1 ; SW_36.SW1 205.64,72.12 205.64,72.12 ; 202.39,90.87 SW_31.SW1
  Top w0.381: SW_31.SW1 202.39,89.91 202.39,91.82 ; 215.54,16.92 215.19,15.45 SW_54.SW1 ; 204.83,70.35 205.64,71.16 205.64,73.07 ; 208.94,54.32 208.94,52.41 SW_41.SW1
  Bottom w0.254: U1.28 161.52,85.48 177.8,69.2 186.85,69.2 188.05,70.4 188.05,77.95 v1(188.9,78.8)
Net-(SW_32-PadSW1): length 317.2
  Top w0.254: SW_55.SW1 251.98,20.64 251.98,20.64 ; 251.98,21.75 252.79,23.98 ; 251.98,21.75 251.41,22.32 251.41,25.85 ; 251.98,21.75 251.98,20.64 ; 245.09,63.01 245.11,63.01 SW_42.SW1 248.25,59.87 248.25,59.85 ; 245.09,63.01 244.05,61.97 244.05,60.55 245.38,59.22 SW_42.SW1 247.6,59.2 248.25,59.85 ; 245.09,63.01 245.1,63.02 245.1,78.42 ; 245.1,78.42 244.59,77.9 SW_37.SW1 242.08,78.32 240.8,79.6 240.8,80.92 241.69,81.81 ; 245.1,78.42 SW_37.SW1 241.71,81.81 241.69,81.81 ; U1.19 148.3,60.29 148.3,58.65 147,57.35 144.5,57.35 144.5,47.05 140.1,41.3 140.1,27.4 140.89,24.18 140.89,12.76 138.05,7.1 138.05,1 181.05,1 184.03,1.66 192.5,3 193.5,4 198,4 202.1,8.1 203.2,7.25 209.1,7.25 210.3,8.45 213.55,8.45 221.35,16 248.45,16 251.98,19.53 251.98,20.64 ; 251.41,25.85 251.4,25.87 251.4,41.32 251.36,41.36 ; 251.41,25.85 SW_55.SW1 ; SW_48.SW1 247.35,41.83 247.35,43.1 248.5,44.25 ; SW_48.SW1 250.5,40.5 251.36,41.36 ; SW_48.SW1 248.68,40.82 ; 241.69,81.81 241.7,81.82 241.7,95.9 ; SW_32.SW1 238.83,96.65 240.95,96.65 241.7,95.9 ; 248.25,59.85 248.26,59.86 248.5,59.62 248.5,44.25 ; SW_48.SW1 249.49,42.78 ; 241.7,95.9 241.7,97.32 SW_32.SW1 239.64,99.37 ; 248.5,44.25 248.5,44.22 251.36,41.36
  Top w0.381: SW_48.SW1 249.49,42.78 ; SW_42.SW1 246.19,61.48 ; 238.83,96.65 239.64,98.93 ; SW_37.SW1 242.89,80.18
Net-(SW_33-PadSW1): length 307.1
  Top w0.254: 260.95,97.65 SW_33.SW1 ; 260.95,97.65 260.95,97.6 ; 260.95,97.65 260.95,97.6 ; 260.95,97.6 260.95,82.15 260.92,82.13 ; 260.95,97.6 260.34,96.99 SW_33.SW1 ; 260.92,82.13 260.98,82.13 262.14,80.96 ; 260.92,82.13 259.7,80.9 259.7,79.87 SW_38.SW1 261.75,78.65 264.25,78.65 ; 268.17,59.54 265.44,62.26 265.44,62.41 ; 268.17,59.54 268.2,59.5 ; 268.17,59.54 268.2,59.5 ; 268.17,59.54 SW_43.SW1 263.3,60.87 263.3,62.8 264.25,63.75 ; 268.34,41.97 267.93,41.57 SW_49.SW1 268.02,40.75 270.8,40.75 ; 268.2,59.5 269,58.7 269,48.75 267.7,47.45 267.7,44.6 SW_49.SW1 270.8,41.5 270.8,40.75 ; 265.44,62.41 265.44,62.41 SW_43.SW1 ; 265.44,62.41 265.44,62.56 264.25,63.75 ; 264.25,63.75 264.25,78.65 ; 271.23,22.11 SW_56.SW1 ; 271.23,22.11 271.21,22.11 268.05,18.95 252.8,18.95 248.95,15.1 221.7,15.1 214.15,7.8 210.7,7.8 209.5,6.6 v1(204.3,6.55) ; 271.23,22.11 SW_56.SW1 ; SW_56.SW1 270.04,23.3 270.04,25.09 270.9,25.95 ; 264.25,78.65 264.25,78.85 262.14,80.96 ; 270.8,40.75 273.05,38.5 273.05,30.15 270.9,28 270.9,25.95 ; 262.14,80.96 SW_38.SW1 ; 270.9,25.95 270.93,25.95 SW_56.SW1 ; v1(197.55,20.55) 197.55,14.9 v1(204.25,8.2) ; v1(160.9,23.15) 160.15,23.9 160.15,27 156,31.15 156,57.67 U1.21
  Top w0.381: SW_43.SW1 265.44,61.81 ; 268.74,43.11 SW_49.SW1 ; SW_38.SW1 262.14,80.46 ; SW_33.SW1 258.89,99.31 ; SW_56.SW1 272.04,24.4
  Bottom w0.254: v1(204.25,8.2) 204.25,6.46 v1(204.3,6.55) ; v1(197.55,20.55) 195.8,20.55 185.95,20.9 184.2,20.9 177.05,28.05 174.5,28.05 173,26.55 164.3,26.55 v1(160.9,23.15)
Net-(SW_34-PadSW1): length 189.1
  Top w0.254: 187.03,62.2 SW_39.SW1 ; 187.03,62.2 SW_39.SW1 ; 187.03,62.2 187.03,62.32 185.8,63.55 185.8,65.2 186.7,66.1 ; SW_39.SW1 189.94,62.08 190.25,62.4 ; 191.09,46.1 190.25,46.95 190.25,47.8 ; 191.09,46.1 SW_44.SW1 ; 191.09,46.1 193.22,43.97 ; 184.54,82.65 184.54,82.65 SW_34.SW1 ; 196.77,5.98 SW_57.SW1 196.56,6.31 196.56,9.84 ; 184.14,81.29 SW_34.SW1 186.03,80.88 186.65,81.5 ; 196.4,25.4 196.55,25.25 196.55,9.85 196.56,9.84 ; 196.4,25.4 194.39,27.4 ; 196.4,25.4 195.68,24.68 SW_50.SW1 ; SW_50.SW1 191.85,26.42 191.85,27.15 193.25,28.55 ; SW_50.SW1 193.58,25.64 193.58,25.64 ; 193.25,28.55 193.25,43.95 193.22,43.97 ; 193.25,28.55 194.39,27.4 ; SW_57.SW1 197.7,8.7 ; 186.7,66.1 186.7,65.95 187.84,64.8 ; 186.7,66.1 186.7,81.45 186.65,81.5 ; SW_50.SW1 194.39,27.4 ; 190.25,62.4 187.84,64.8 ; 190.25,62.4 190.25,49.4 ; 187.84,64.8 SW_39.SW1 ; U1.26 151.3,80.4 151.3,78.05 175.6,53.75 178,53.75 180.1,50.45 188,50.45 190.25,49.4 ; 193.22,43.97 192.63,43.38 SW_44.SW1 189.1,44.57 189.1,46.65 190.25,47.8 ; 190.25,49.4 190.25,47.8 ; 186.65,81.5 184.54,83.6 ; 197.7,8.71 196.56,9.84
  Top w0.381: 197.7,8.71 197.7,8.7 197.36,7.62 SW_57.SW1 ; 194.39,27.4 193.58,26.6 SW_50.SW1 ; 191.09,46.1 191.09,44.19 SW_44.SW1 ; 187.84,64.8 187.84,62.89 SW_39.SW1 ; 184.54,83.6 184.54,81.69 SW_34.SW1
Net-(SW_46-PadSW1): length 83.4
  Top w0.254: SW_46.SW1 175.49,30.69 176.05,31.26 ; 176.05,31.26 176.05,15.86 176.67,15.23 ; 176.05,31.26 173.89,33.41 173.4,33.91 ; 173.4,33.91 172.9,34.41 172.9,45.85 U1.23 ; 173.4,33.91 SW_46.SW1 ; 176.67,15.23 SW_53.SW1 ; 176.67,15.23 177.29,14.61 177.3,14.61 176.89,13.25 ; 176.89,13.25 SW_53.SW1 176.48,12.84 176.89,13.25
  Top w0.381: SW_46.SW1 173.89,31.5 173.89,33.41
Net-(SW_51-PadSW1): length 78.4
  Top w0.254: 158.2,7.58 158.2,4.05 SW_58.SW1 SW_58.SW1 158.2,7.58 ; 158.2,7.58 158.2,22.75 ; U1.20 147.2,65.16 154.93,57.43 154.95,26.23 SW_51.SW1 158.2,22.98 158.2,22.75 ; 158.2,22.75 157.82,22.37 SW_51.SW1
  Top w0.381: SW_51.SW1 156.09,23.18 SW_51.SW1

## Text on the board
F.SilkS: Based on / Design by / Phil Hagelberg | CPSLK | LAYER | Board by JW | REV.2 2017
